# Altium PCB MU_MP_39_V1.PcbDoc (part 13 of 15)
Units mm, origin at the board's own origin, x right, y up, seen from the top; angles counter-clockwise.
Board outline 133 x 94 mm, 8 copper layers (Top Layer, GND_1, POWER_1, POWER_2, GND_2, Inner_Layer, GND_3, Bottom Layer), stack 1.468 mm thick; 934 components, 729 nets, 4006 pads, 2645 vias.
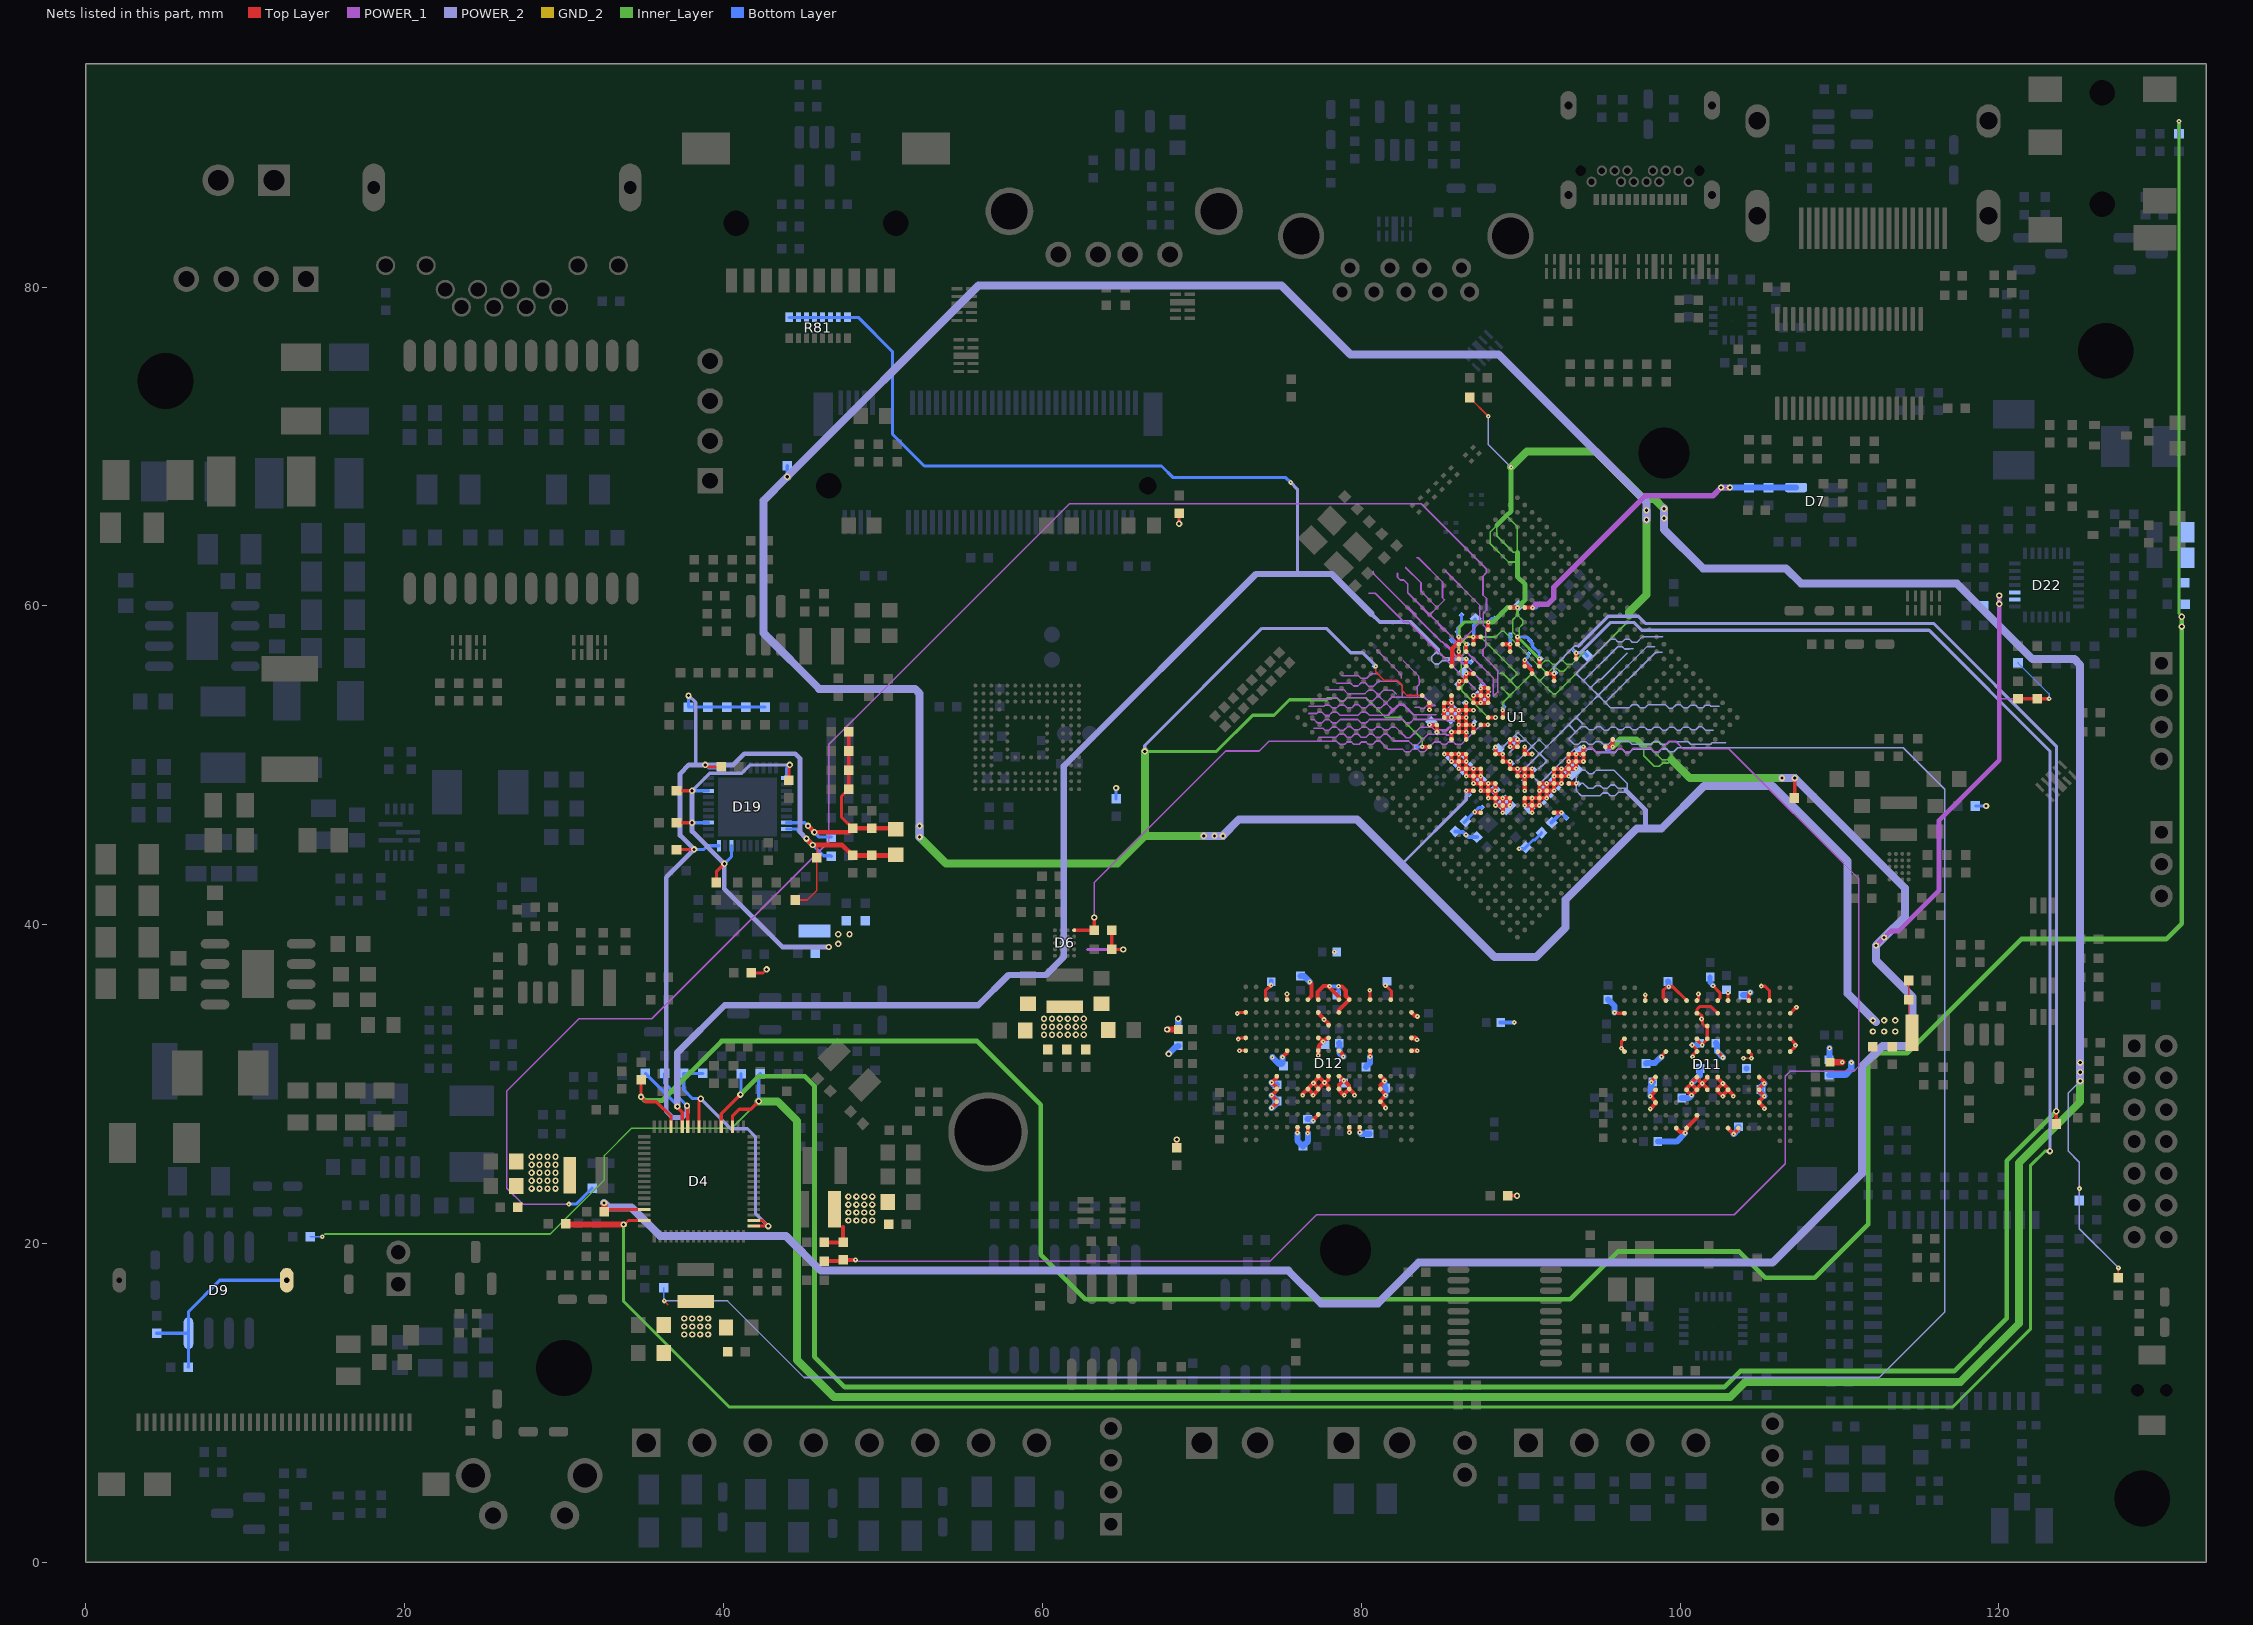
[diagram p19: the nets of this part, all layers, seen from the top]

## Via types
v1: diameter 0.3, hole 0.1, Top Layer to Bottom Layer, tented both sides, 1670 vias
v2: diameter 0.4, hole 0.2, Top Layer to Bottom Layer, tented both sides, 843 vias
v3: diameter 0.6, hole 0.3, Top Layer to Bottom Layer, tented both sides, 132 vias

## Nets (pads, with @x,y where several pads share a name; then routed paths per layer and width w, separated by ;. In a path a pad name is that pad's centre, name@x,y a point inside that pad or via, vN(x,y) a via of type N, cw(c..) or ccw(c..) an arc to the next point about the centre after c; other vN are vias at no path point) (continued)
VCC_DDR: C61.1 C64.1 C65.2 C177.2 C178.1 C179.1 C180.1 C181.1 C182.1 C183.1 C184.1 C185.1 C186.2 C187.1 C188.1 C189.1 C190.1 C191.1 C192.1 C193.1 C194.1 C195.1 C198.1 C201.1 C202.1 C213.1 C214.1 C215.1 C216.1 C217.1 C218.1 C219.1 C220.2 C232.1 C233.1 C234.1 C235.1 C236.1 C237.1 C238.1 C239.2 C240.1 C241.1 C242.1 C243.1 C244.1 C245.1 C246.1 C247.2 C248.1 C249.1 C250.1 C251.1 C252.1 C253.1 C254.1 C255.2 D11.A8 D11.A9 D11.A11 D11.C12 D11.D4 D11.D5 D11.D6 D11.E8 D11.E12 D11.F2 D11.G2 D11.G5 D11.G12 D11.H3 D11.H5 D11.H6 D11.H8 D11.H9 D11.H11 D11.H12 D11.J5 D11.J6 D11.J9 D11.J10 D11.K5 D11.K6 D11.K8 D11.K11 D11.K12 D11.L2 D11.L5 D11.L12 D11.M2 D11.N8 D11.N12 D11.P4 D11.P5 D11.P6 D11.R12 D11.U8 D11.U9 D11.U11 D12.A8 D12.A9 D12.A11 D12.C12 D12.D4 D12.D5 D12.D6 D12.E8 D12.E12 D12.F2 D12.G2 D12.G5 D12.G12 D12.H3 D12.H5 D12.H6 D12.H8 D12.H9 D12.H11 D12.H12 D12.J5 D12.J6 D12.J9 D12.J10 D12.K5 D12.K6 D12.K8 D12.K11 D12.K12 D12.L2 D12.L5 D12.L12 D12.M2 D12.N8 D12.N12 D12.P4 D12.P5 D12.P6 D12.R12 D12.U8 D12.U9 D12.U11 L6.1 R17.1 R17.2 R19.1 R57.1 R58.1 R59.2 R60.2 R63.2 R64.2 U1.J11 U1.J12 U1.J13 U1.J14 U1.J15 U1.J16 U1.J17 U1.J18 U1.K11 U1.K13 U1.K15 U1.K17 U1.L9 U1.L10 U1.M9 U1.N9 U1.N10 U1.P9 U1.R9 U1.R10 U1.T9 U1.U9 U1.U10 U1.V9 | length 243.4
  Top Layer w0.1: v1(103.975,31.625) v1(104.475,31.625)
  Top Layer w0.2: C185.1@68.425,25.9 v2(68.425,26.525) ; v1(72.223,34.436) 72.288,34.501 D12.A11@72.755,34.501 ; v1(72.285,32.829) 72.312,32.829 72.385,32.901 D12.A9@72.755,32.901 ; v1@72.368,32.101 D12.A8@72.755,32.101 ; D12.C12@74.055,35.301 73.992,35.364 73.992,35.859 v1(74.347,36.214) ; v1(75.347,35.655) 75.355,35.655 D12.E12@75.355,35.301 ; v1(80.529,35.884) 80.554,35.859 D12.N12@80.555,35.301 ; v1(81.52,36.189) 81.545,36.189 81.901,35.833 81.901,35.655 81.901,35.347 D12.R12@81.854,35.301 ; C194.1@89.1,23 C194.1@89.2,23 v2(89.775,23) ; v1(95.896,34.487) 95.923,34.487 95.965,34.445 D11.A11@96.513,34.445 ; D11.A8@96.513,32.046 96.513,32.054 96.325,32.242 v1(96.325,32.25) 96.325,32.658 D11.A9@96.513,32.845 ; v1(97.824,35.6) 97.824,35.261 D11.C12@97.826,35.259 ; v1(98.837,31.71) 98.856,31.729 98.856,31.789 D11.E8@99.113,32.046 ; D11.E12@99.113,35.245 99.113,35.25 98.95,35.413 98.95,35.884 99.161,36.096 99.27,36.096 v1(99.29,36.115) ; v1@99.29,36.113 99.545,36.113 D11.G12@100.413,35.245 ; v1(100.757,32.455) 101.063,32.149 D11.H8@101.063,32.046 ; v1(100.787,31.716) 100.806,31.735 100.806,31.802 D11.H8@101.049,32.046 ; D11.H9@101.063,32.845 101.082,32.826 101.082,32.752 101.379,32.455 v1(101.392,32.455) 101.411,32.474 101.411,32.517 D11.J9@101.726,32.832 ; D11.H12@101.063,35.245 101.154,35.337 v1(101.154,35.655) ; v1(101.353,34.089) 101.363,34.099 101.363,34.278 101.215,34.426 101.082,34.426 D11.H11@101.063,34.445 101.063,34.688 101.245,34.87 101.938,34.87 D11.K11@102.363,34.445 ; v1@101.382,34.055 101.402,34.036 101.402,33.805 101.542,33.665 101.694,33.665 D11.J10@101.713,33.645 D11.J9@101.713,32.845 ; v1(102.068,36.175) 102.068,36.164 102.5,35.732 102.5,35.383 D11.K12@102.363,35.245 ; D11.K8@102.363,32.034 102.671,31.725 102.671,31.683 v1(102.69,31.663) ; D11.L12@103.013,35.245 v1@103.013,35.727 ; D11.N8@104.313,32.046 104.313,32.041 104.475,31.878 v1(104.475,31.625) ; D11.N12@104.313,35.245 104.313,35.665 v1(104.405,35.757) ; v1(105.1,36.15) 105.104,36.146 105.333,36.146 105.613,35.867 D11.R12@105.613,35.245 ; D11.U8@106.913,32.046 107.219,32.351 107.219,32.426 v1(107.238,32.446) ; D11.U9@106.913,32.845 107.219,32.539 107.219,32.465 v1@107.229,32.454 ; D11.U11@106.913,34.445 v1@107.284,34.817
  Top Layer w0.254: C61.1@46.307,20.095 46.327,20.075 R17.1@47.5,20.075 47.5,21.025 ; R19.1@46.325,18.9 47.425,18.9 R17.2@47.5,18.975 v1(48.275,18.975) ; v1(72.366,32.099) v1@72.368,32.101 ; v1(74.379,28.501) 74.705,28.826 74.705,28.976 v1(74.379,29.301) 74.705,29.626 D12.D5@74.705,29.701 74.705,29.776 v1(74.379,30.101) 74.705,30.426 D12.D6@74.705,30.501 ; v1(75.068,31.693) 75.346,31.971 75.346,32.092 D12.E8@75.355,32.101 ; v1(75.998,26.943) 76.005,26.949 D12.F2@76.005,27.301 ; v1(76.33,29.301) 76.33,29.376 D12.G5@76.655,29.701 ; v1(76.65,26.925) 76.655,26.93 D12.G2@76.655,27.301 ; D12.G12@76.655,35.301 76.871,35.518 76.871,36.312 v1(76.77,36.414) ; v1(76.98,27.701) 76.988,27.71 76.988,27.763 77.282,28.057 77.282,28.066 77.296,28.08 D12.H3@77.305,28.08 ; v1(77.303,31.795) 77.305,31.796 D12.H8@77.305,32.101 77.313,32.11 77.313,32.288 77.355,32.33 77.355,32.41 v1(77.608,32.663) ; D12.H9@77.305,32.901 77.369,32.901 v1(77.608,32.663) ; D12.H11@77.305,34.501 77.313,34.492 77.313,34.437 77.6,34.15 77.6,34.139 77.643,34.097 77.643,34.082 77.666,34.059 v1(77.666,34.047) ; D12.H12@77.305,35.301 77.305,35.313 77.254,35.364 77.254,35.792 77.625,36.163 77.953,36.163 77.973,36.143 77.993,36.143 78.002,36.134 v1(78.014,36.134) 78.014,36.062 78.605,35.472 D12.K12@78.605,35.301 ; v1@77.701,34.038 77.946,33.794 77.946,33.71 D12.J10@77.955,33.701 ; D12.J5@77.955,29.701 77.946,29.71 77.946,29.854 v1(77.7,30.1) ; D12.J6@77.955,30.501 77.946,30.492 77.946,30.303 77.751,30.109 77.709,30.109 v1(77.7,30.1) ; D12.J9@77.955,32.901 77.847,32.901 v1(77.608,32.663) ; v1(78.573,36.138) 78.599,36.113 78.787,36.113 79.03,35.869 79.03,35.525 D12.L12@79.255,35.301 78.605,34.651 D12.K11@78.605,34.501 ; D12.K6@78.605,30.501 78.617,30.501 78.64,30.478 78.647,30.478 78.909,30.216 78.933,30.216 79.246,29.903 79.246,29.71 D12.L5@79.255,29.701 ; D12.K8@78.605,32.101 78.866,31.839 78.866,31.734 v1(78.875,31.725) ; v1(78.899,30.225) 78.891,30.216 78.874,30.216 78.605,29.946 78.605,29.626 v1(78.93,29.301) 78.93,29.376 D12.L5@79.255,29.701 ; D12.L2@79.255,27.301 79.255,26.973 v1(79.259,26.969) ; v1(79.58,29.301) 79.58,29.376 D12.L5@79.255,29.701 ; D12.M2@79.905,27.301 79.905,26.984 v1(79.919,26.969) ; v1(80.554,31.718) D12.N8@80.555,32.101 ; D12.P5@81.2,29.689 81.2,29.951 81.43,30.181 81.46,30.181 v1(81.469,30.19) ; D12.P5@81.205,29.701 81.205,29.689 81.228,29.666 81.228,29.647 81.521,29.354 81.521,29.31 v1(81.53,29.301) 81.204,28.976 D12.P4@81.205,28.901 81.53,28.576 v1(81.53,28.501) ; D12.P6@81.205,30.501 81.213,30.492 81.247,30.492 v1@81.489,30.25 ; D12.U8@83.154,32.101 v1(83.517,32.099) v1(83.517,32.099) ; D12.U11@83.154,34.501 83.365,34.29 83.47,34.29 83.512,34.248 v1(83.524,34.248) ; v1(85.206,50.704) 85.208,50.702 U1.J18@85.664,50.702 ; v1(88.882,47.027) 88.881,47.029 U1.J11@88.881,47.485 ; v1(90.72,47.027) v1(90.72,47.027) U1.L9@90.719,47.485 ; U1.N9@91.639,48.403 v1(91.639,47.946) 91.637,47.944 U1.M9@91.179,47.944 ; v1(92.099,48.406) 92.097,48.404 U1.N9@91.638,48.404 ; v1(92.099,48.406) U1.P9@92.098,48.863 ; U1.P9@92.098,48.863 v1(92.099,49.325) 92.101,49.323 U1.R9@92.558,49.323 ; v1@92.098,49.326 U1.R10@92.098,49.783 92.556,49.783 v1(92.558,49.785) ; U1.R9@92.558,49.322 v1(92.558,48.865) 92.557,48.864 U1.P9@92.098,48.863 ; v1(93.018,50.244) U1.U10@93.017,50.702 U1.U10@93.017,50.702 v1(93.478,50.704) 93.479,50.702 U1.V9@93.937,50.702 ; v1@93.477,49.785 U1.U9@93.477,50.242 ; v1(93.478,50.704) U1.U9@93.477,50.242 ; v1(93.478,49.785) U1.T9@93.017,49.783 U1.T9@93.017,49.783 v1(93.018,50.244) 93.02,50.242 U1.U9@93.477,50.242 ; v1(93.937,51.163) U1.V9@93.937,50.702 v1(93.937,50.244) 93.935,50.242 U1.U9@93.477,50.242 ; v1(98.138,28.446) 98.463,28.771 D11.D4@98.463,28.845 98.463,28.92 v1(98.138,29.245) 98.463,29.571 D11.D5@98.463,29.645 ; v1(98.2,30.129) 98.2,30.141 98.223,30.164 98.223,30.185 98.44,30.401 98.44,30.41 98.463,30.433 D11.D6@98.463,30.445 ; D11.F2@99.763,27.245 100.002,27.006 100.236,27.006 100.307,26.935 v1(100.319,26.935) ; v1@100.219,26.977 100.404,27.162 100.404,27.237 101.063,27.895 D11.H3@101.063,28.046 ; v1(100.722,29.305) 100.413,29.615 D11.G5@100.413,29.645 100.413,29.721 v1(100.738,30.046) ; v1(100.722,29.305) D11.H5@101.063,29.645 ; D11.J5@101.713,29.645 101.713,29.72 v1(101.388,30.046) ; D11.J6@101.713,30.445 101.713,30.371 v1(101.388,30.046) ; D11.K6@102.363,30.445 102.363,30.371 v1(102.688,30.046) ; v1(103.008,35.732) v1@103.013,35.727 ; D11.L2@103.013,27.245 103.021,27.237 103.021,27.224 103.036,27.21 103.036,27.195 v1(103.365,26.865) ; v1(103.337,29.245) 103.337,29.321 D11.L5@103.013,29.645 ; v1@103.361,26.869 103.64,27.148 103.64,27.21 103.654,27.224 103.654,27.237 D11.M2@103.663,27.245 ; D11.P6@104.963,30.445 105.287,30.12 v1(105.287,30.046) 104.963,29.721 104.963,29.57 v1(105.287,29.245) 104.963,28.921 D11.P4@104.963,28.845 104.975,28.845 104.998,28.822 104.999,28.822 105.281,28.54 105.281,28.472 v1(105.29,28.463) ; v1@107.229,32.454 v1(107.238,32.446) ; D12.G5@76.655,29.701 76.98,29.376 v1(76.98,29.301) 77.305,29.626 D12.H5@77.305,29.701 ; D12.G5@76.655,29.701 76.655,29.724 v1(76.998,30.067) ; v1(76.998,30.067) 77.305,29.761 D12.H5@77.305,29.701 ; v1(76.998,30.067) 77.305,30.374 D12.H6@77.305,30.501 77.7,30.105 v1(77.7,30.1) ; D12.H5@77.305,29.701 D12.H5@77.305,29.701 77.344,29.738 77.344,29.744 v1(77.7,30.1) ; U1.J18@85.664,50.702 v1(86.125,50.704) v1(86.125,50.704) ; U1.J18@85.664,50.702 85.664,50.246 v1(85.665,50.244) 85.667,50.242 U1.J17@86.123,50.242 ; U1.J17@86.123,50.242 86.583,50.242 v1(86.584,50.244) ; U1.J17@86.123,50.242 86.125,50.244 v1(86.125,50.704) ; U1.J17@86.123,50.242 86.123,49.786 v1(86.125,49.785) U1.J16@86.583,49.783 U1.J16@86.583,49.783 ; v1(86.125,50.704) 86.127,50.702 U1.K17@86.583,50.702 86.583,50.246 v1(86.584,50.244) ; U1.J16@86.583,49.783 86.583,49.327 v1(86.584,49.325) 87.04,49.325 U1.J15@87.042,49.323 ; U1.J16@86.583,49.783 U1.J16@86.584,49.784 ; U1.J16@86.585,49.785 v1(87.044,49.785) ; U1.J16@86.584,49.784 v1(86.584,50.244) ; U1.J15@87.042,49.323 87.044,49.325 v1(87.044,49.785) ; U1.J15@87.042,49.323 87.502,49.323 v1(87.504,49.325) ; U1.J15@87.042,49.323 87.042,48.867 v1(87.044,48.865) U1.J14@87.502,48.863 U1.J14@87.502,48.863 ; v1(87.044,49.785) 87.046,49.783 U1.K15@87.502,49.783 87.504,49.781 v1(87.504,49.325) ; U1.J14@87.502,48.863 87.502,48.407 v1(87.504,48.406) 87.96,48.406 U1.J13@87.962,48.404 ; U1.J14@87.502,48.863 U1.J14@87.504,48.865 ; U1.J14@87.504,48.865 v1(87.963,48.865) ; U1.J14@87.504,48.865 v1(87.504,49.325) ; U1.J13@87.962,48.404 87.963,48.405 v1(87.963,48.865) ; U1.J13@87.962,48.404 v1@88.421,48.404 ; U1.J13@87.962,48.404 87.962,47.948 v1(87.963,47.946) 87.965,47.944 U1.J12@88.421,47.944 ; v1(87.963,48.865) 87.965,48.864 U1.K13@88.421,48.863 88.421,48.407 v1(88.423,48.406) v1@88.421,48.404 ; U1.J12@88.421,47.944 88.423,47.946 v1(88.882,47.946) ; U1.J12@88.421,47.944 88.421,47.488 v1(88.423,47.487) 88.879,47.487 U1.J11@88.881,47.485 ; U1.J12@88.421,47.944 v1@88.421,48.404 ; U1.J11@88.881,47.485 88.883,47.487 v1(89.342,47.487) 89.34,47.488 U1.K11@89.34,47.944 89.338,47.946 v1(88.882,47.946) ; U1.J11@88.881,47.485 88.881,47.945 v1(88.882,47.946) ; U1.L9@90.719,47.485 91.178,47.485 v1(91.18,47.487) v1(91.18,47.487) U1.M9@91.179,47.944 ; U1.L9@90.719,47.485 U1.L9@90.719,47.485 v1(90.72,47.946) ; U1.L9@90.719,47.485 90.717,47.487 v1(90.261,47.487) v1(90.261,47.487) U1.L10@90.26,47.944 90.262,47.946 v1(90.72,47.946) ; v1(90.72,47.946) 90.722,47.944 U1.M9@91.179,47.944 ; U1.M9@91.179,47.944 91.179,48.405 v1(91.18,48.406) ; v1(91.18,48.406) 91.182,48.404 U1.N9@91.638,48.404 ; v1(91.18,48.406) v1(91.18,48.406) U1.N10@91.179,48.863 91.637,48.864 v1(91.639,48.865) ; U1.N9@91.638,48.404 v1(91.639,48.865) ; v1(91.639,48.865) 91.641,48.864 U1.P9@92.098,48.863 ; v1(92.558,49.785) U1.R9@92.558,49.323 U1.R9@92.558,49.323 v1(93.018,49.325) 93.017,49.326 U1.T9@93.017,49.783 92.561,49.783 v1(92.558,49.785) ; v1(100.738,30.046) 100.738,30.12 D11.H6@101.063,30.445 101.063,30.37 v1(101.388,30.046) ; v1(100.738,30.046) 100.738,29.971 D11.H5@101.063,29.645 ; D11.H5@101.063,29.645 101.063,29.721 v1(101.388,30.046) ; v1(102.688,30.046) 102.363,29.721 D11.K5@102.363,29.645 102.363,29.57 v1(102.688,29.245) 102.688,29.32 D11.L5@103.013,29.645 ; v1(102.688,30.046) 103.013,29.721 D11.L5@103.013,29.645
  Top Layer w0.305: D12.U9@83.154,32.901 83.382,32.901 v1(83.501,32.782) ; v1@107.275,34.817 107.284,34.817 v1(107.301,34.817)
  Top Layer w0.381: v2(67.825,33.425) 67.83,33.425 67.835,33.42 R63.2@68.522,33.42 ; R64.2@109.412,31.373 R64.2@109.414,31.375
  Top Layer w0.4: R64.2@109.414,31.375 v1(110.175,31.375)
  POWER_1 w0.1: v1(48.275,18.975) 48.329,18.975 48.404,18.9 74.3,18.9 77.2,21.8 103.4,21.8 106.6,25 106.6,30.5 106.9,30.8 110.9,30.8 111.2,31.1 111.2,42.9 103.056,51.044 100.189,51.044 99.731,51.501 99.325,51.501 98.665,50.841 98.385,50.841 98.157,51.07 97.064,51.07 96.836,50.841 96.556,50.841 96.379,51.019 96.099,51.019 95.921,50.841 94.728,50.841 94.499,51.07 94.031,51.07 v1(93.937,51.163)
  Bottom Layer w0.2: v1(89.902,44.77) 90.233,44.77 90.779,45.316 90.88,45.316 91.311,45.746 R58.1@91.31,45.773
  Bottom Layer w0.254: v1(74.347,36.214) 74.357,36.224 C233.1@74.357,36.512 ; v1@78.018,36.138 v1(78.573,36.138) 78.573,35.699 C238.1@78.471,35.597 ; R57.1@85.907,45.857 86.116,45.857 86.148,45.825 86.372,45.825 86.56,45.636 v1(86.573,45.636) ; v1@86.553,45.628 86.594,45.628 86.727,45.495 C195.1@87.037,45.495 ; C195.1@87.037,45.495 C195.1@87.246,45.495 ; C244.1@88.75,33.875 v1(89.6,33.875)
  Bottom Layer w0.3: v1(100.757,32.455) 101.121,32.455 C216.1@101.23,32.564
  Bottom Layer w0.305: C247.2@101.89,36.729 101.89,36.367 102.068,36.19 v1(102.068,36.175)
  Bottom Layer w0.381: v2(67.925,31.9) 68.345,32.32 68.438,32.32 R59.2@68.522,32.404 ; C201.1@68.522,33.42 68.522,34.097 v2(68.525,34.1) ; v1(74.379,28.501) 74.72,28.841 74.72,28.961 v1(74.379,29.301) ; v1(74.379,30.101) 74.515,29.966 C254.1@74.719,29.966 ; v1(74.424,31.687) 74.852,31.259 75.001,31.259 75.068,31.326 v1(75.068,31.693) ; v1(75.998,26.943) 75.998,26.452 C248.1@76.345,26.105 76.43,26.19 76.668,26.428 76.668,26.907 v1(76.65,26.925) ; C234.1@76.186,36.788 76.396,36.788 v1(76.77,36.414) ; C252.1@76.635,27.803 76.878,27.803 v1(76.98,27.701) ; C237.1@78.624,32.564 78.628,32.559 78.628,31.972 v1(78.875,31.725) ; v1(79.919,26.969) 79.999,26.889 C251.1@80.51,26.889 ; C255.2@80.293,31.083 80.554,31.344 v1(80.554,31.718) ; v1(81.469,30.19) 81.469,29.821 C250.1@81.526,29.763 81.527,29.304 v1(81.53,29.301) ; C220.2@95.49,35.307 95.896,34.9 v1(95.896,34.487) ; C213.1@97.87,31.287 97.911,31.327 98.427,31.327 98.81,31.71 v1(98.837,31.71) ; v1(98.138,29.245) 98.138,29.832 98.206,29.901 98.206,30.055 C243.1@98.29,30.14 98.211,30.14 v1(98.2,30.129) ; C240.1@98.605,26.4 99.783,26.4 v1(100.319,26.935) ; C219.1@99.248,36.432 99.29,36.391 v1(99.29,36.115) ; C242.1@100.105,29.124 100.541,29.124 v1(100.722,29.305) ; v1(100.738,30.046) 101.237,30.545 C215.1@101.237,30.982 ; C217.1@102.246,32.564 102.327,32.483 102.327,32.048 102.69,31.685 v1(102.69,31.663) ; v1(103.365,26.865) 103.591,27.091 103.591,27.24 C241.1@103.675,27.324 ; C218.1@103.947,35.583 104.231,35.583 v1(104.405,35.757) ; v1(105.287,29.245) 105.084,29.449 105.084,29.842 v1(105.287,30.046)
  Bottom Layer w0.4: R60.2@109.35,30.575 110.375,30.575 110.75,30.95 v1(110.75,31.35) ; C202.1@109.375,31.525 v1(109.375,32.25)
  other v1: 78.319,38.293
  other v2: 47.832,21.445 48.332,21.445 48.832,21.445 49.332,21.445 47.832,21.945 48.332,21.945 48.832,21.945 49.332,21.945 47.832,22.445 48.332,22.445 48.832,22.445 49.332,22.445 47.832,22.945 48.332,22.945 48.832,22.945 49.332,22.945
VCC_DDR0_CLK: C199.1 R58.2 U1.M7 | length 1.8
  Top Layer w0.254: U1.M7@92.098,47.025 92.556,47.025 v1(92.558,47.027)
  Bottom Layer w0.254: R58.2@91.947,46.409 91.947,46.416 v1(92.558,47.027) 92.857,46.729 C199.1@92.857,46.718
VCC_DDR1_CLK: C196.1 R57.2 U1.G12 | length 1.9
  Top Layer w0.254: v1(87.121,47.074) 87.133,47.074 87.167,47.039 87.455,47.039 87.461,47.034 87.493,47.034 U1.G12@87.502,47.025
  Bottom Layer w0.2: R57.2@86.461,46.409 86.461,46.44 87.095,47.074 v1(87.121,47.074) ; v1@87.108,47.087 87.366,47.344 C196.1@87.582,47.344
VCC_EFUSE: C103.1 C104.1 C105.1 D7.5 U1.AD23 | length 21.6
  Top Layer w0.254: U1.AD23@90.26,59.894 90.728,59.894 90.738,59.884 v1(90.751,59.884)
  POWER_1 w0.35: v1(90.751,59.884) 90.751,59.907 90.956,60.112 91.705,60.112 92.086,60.493 92.086,61.179 95.407,64.5 97.807,66.9 102.05,66.9 v2(102.575,67.425) v2(103.125,67.425)
  Bottom Layer w0.254: v1(90.751,59.884) 90.759,59.892 90.948,59.892 C105.1@91.164,60.109
  Bottom Layer w0.4: v2(102.575,67.425) C103.1@104.325,67.425 D7.5@107.275,67.425
VCC_EXT_RTC: C117.1 C118.1 D9.8 R50.1 | length 12.5
  Bottom Layer w0.2: R50.1@4.45,14.375 D9.8@6.435,14.375 ; C117.1@6.425,12.25 6.435,12.26 D9.8@6.435,14.375 ; C118.1@12.6,17.7 8.4,17.7 6.435,15.735 D9.8@6.435,14.375
VCC_LAN: C59.1 C326.1 C327.1 C328.1 C329.1 C337.1 D4.11 D19.11 D19.29 D19.40 L13.2 R130.2 R151.2 R154.2 R156.2 R157.2 R158.2 R159.2 | length 70.9
  Top Layer w0.1: R130.2@44.5,41.55 45.25,41.55 45.85,42.15 R159.2@45.85,44.2 45.85,44.95 45.9,45
  Top Layer w0.2: C327.1@37.05,44.7 37.075,44.725 v2(38.15,44.725) ; v2@37.745,28.465 v2@37.745,28.607 ; D4.11@37.757,27.33 v2@37.757,28.454 ; v2(38.85,50.025) 38.904,50.025 39.029,49.9 C329.1@39.85,49.9
  Top Layer w0.3: v2(45.2,45.4) v2(45.6,45) 45.9,45 47.45,45 C337.1@48.1,44.35 C326.1@49.3,44.35 50.75,44.35 L13.2@50.8,44.4
  POWER_2 w0.2: v2(37.8,54.375) 37.825,54.375 38.25,53.95 38.25,50.025
  POWER_2 w0.3: v2(37.707,28.645) 37.707,28.207 37.4,27.9 36.8,27.9 36.4,28.3 36.4,42.975 v2(38.15,44.725) 37.275,45.6 37.275,49.475 37.825,50.025 38.25,50.025 v2(38.85,50.025) 40.6,50.025 41.3,50.725 44.5,50.725 44.8,50.425 44.8,45.8 v2(45.2,45.4) v2(45.6,45)
  Bottom Layer w0.2: C59.1@36.3,30.675 36.3,30.052 v2(37.707,28.645) ; v2(37.8,54.375) R158.2@37.8,53.65 R157.2@39,53.65 R156.2@40.2,53.65 R154.2@41.4,53.65 R151.2@42.6,53.65 ; v2(38.15,44.725) 38.775,44.725 39,44.95 D19.40@39.7,44.95 ; v2(38.85,50.025) 38.892,50.025 39.067,49.85 D19.11@39.7,49.85 ; D19.29@43.95,46 44.6,46 v2(45.2,45.4) 46.267,44.333 46.717,44.333 C328.1@46.75,44.3
VCC_RTC: C73.2 D4.9 D4.52 D4.53 R21.1 | length 17.7
  Top Layer w0.2: D4.9@38.457,27.33 38.457,28.941 38.569,29.053 v2(38.569,29.083) ; D4.52@41.892,21.095 v2(42.807,21.095) 42.582,21.32 42.457,21.445 D4.53@41.892,21.445
  POWER_2 w0.2: v2(38.569,29.083) 40.452,27.2 41.5,27.2 42,26.7 42,21.902 v2(42.807,21.095)